# KiCad board LC_RFE-RevA2.kicad_pcb (continued)
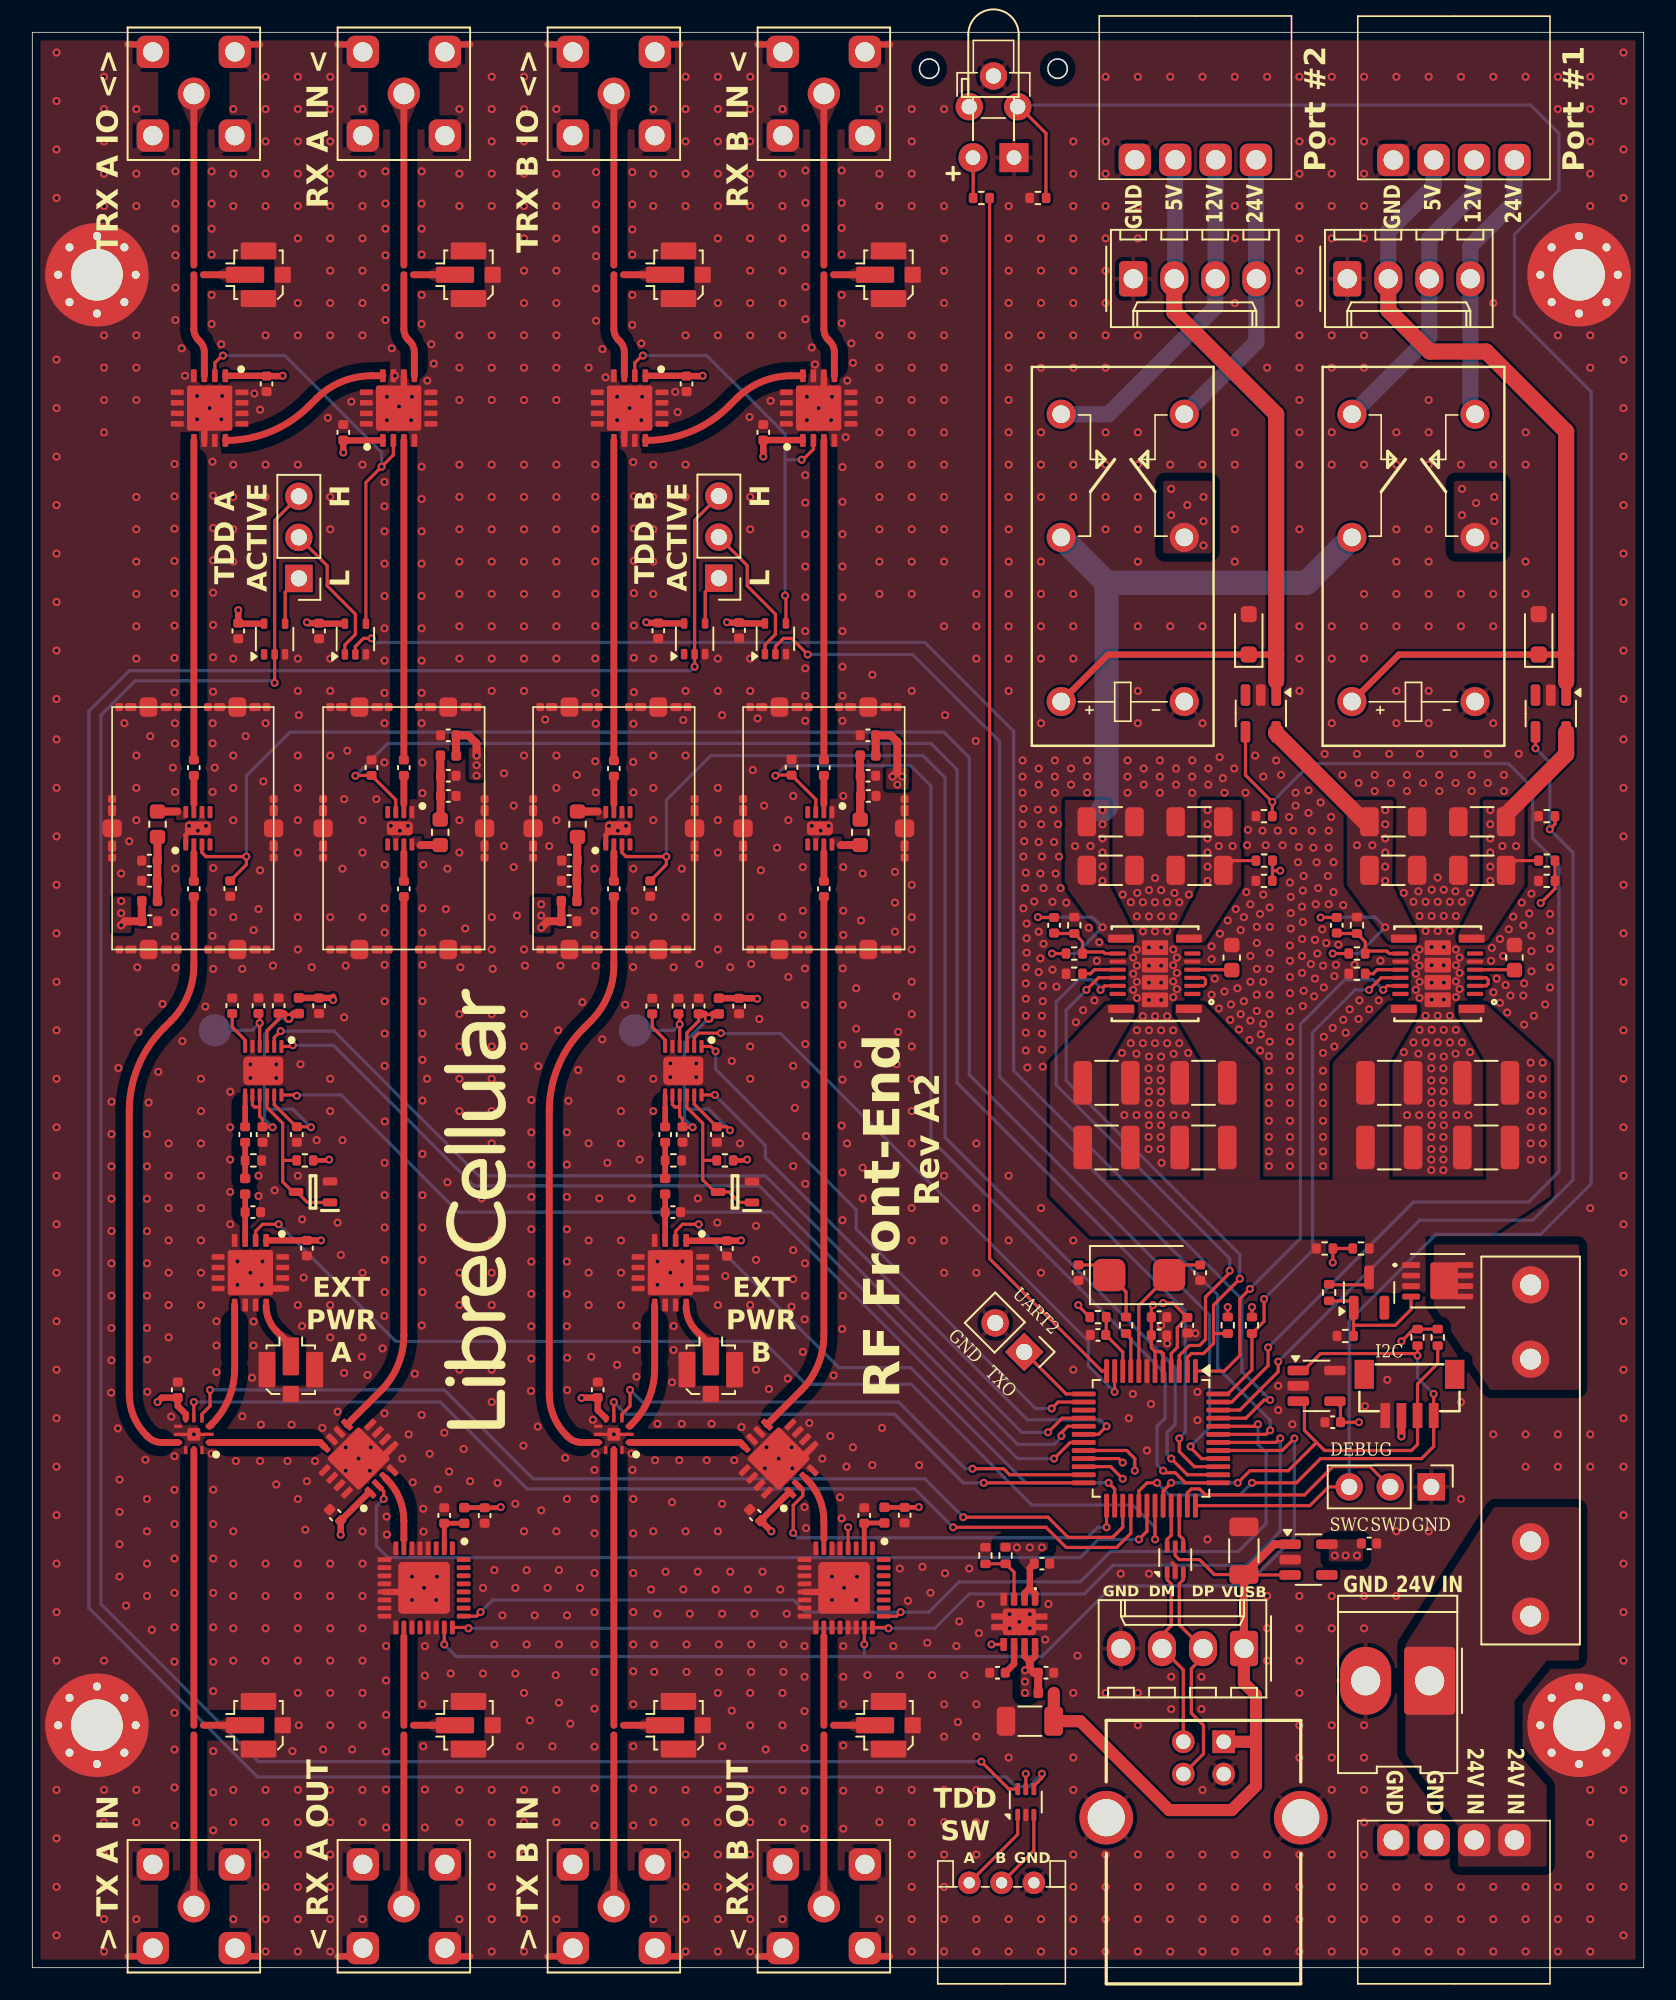
[diagram p0: board, top side]
## Routing (per net, layer and track width the routed paths; a pad name or vN(x,y) marks a point on that pad's centre or on a via; arc(x,y) is an arc through that point) (continued)
/External Power/PORT_1_5V: length 55.4
  Top w0.4: 94.95,81.25 D401.1 84.6,81.25 K401.8
  Top w0.5: IC401.1 94.95,79.55
  Top w1: 94.95,79.55 94.95,95.05 90,100 86.5,100 83.94,102.56 CON403.2
  Bottom w1: CON403.2 83.94,107.44 86.75,110.25 CON401.2
/External Power/PORT_1_12V: length 19.1
  Bottom w0.75: 86.5,104.48 CON403.3
  Bottom w1: CON401.3 89.25,109.75 86.48,106.98 CON403.3 86.48,100.91 K401.5 81.88,96.12
/External Power/PORT_1_24V: length 17.1
  Bottom w0.75: K401.4 89.31,96.19
  Bottom w1: K401.4 89.02,96.41 CON403.4 89.02,106.52 91.75,109.25 CON401.4
/External Power/PORT_1_EN: length 57.9
  Top w0.2: v1(77.12,37.5) 77.12,36.88 74.75,34.5 IC301.46 ; v1(93.05,75.45) IC401.4 ; v1(93.94,70.44) 94.26,70.76 R401.1
  Bottom w0.2: v1(93.05,75.45) 93.94,74.56 v1(93.94,70.44) 95.38,69 95.38,48.75 92.88,46.25 85.88,46.25 v1(77.12,37.5)
/External Power/PORT_2_5V: length 50.3
  Top w0.4: 77,81.25 D402.1 66.6,81.25 K402.8
  Top w0.5: IC402.1 77,79.6
  Top w1: CON404.2 70.69,102.44 77,96.12 77,79.6
  Bottom w0.75: 70.25,104.54 70.29,104.5
  Bottom w1: CON404.2 70.75,104.56 CON402.2
/External Power/PORT_2_12V: length 21.4
  Bottom w1: CON402.3 73.25,104.52 CON404.3 73.23,102.73 66.62,96.12 K402.5
/External Power/PORT_2_24V: length 17.6
  Bottom w1: CON402.4 75.75,104.52 CON404.4 75.77,100.58 K402.4
/External Power/PORT_2_EN: length 75.7
  Top w0.2: IC402.4 75.1,73.78 v1(76.76,72.12) R402.1 ; v1(76.5,38.38) 76.5,37.25 74.25,35 IC301.47
  Bottom w0.2: v1(76.5,38.38) 85.5,47.38 92.62,47.38 94.5,49.25 94.5,68.25 92.88,69.88 92.88,73 91.38,74.5 79.12,74.5 76.76,72.14 v1(76.76,72.12)
/MCU/LED: length 75.8
  Top w0.2: R303.1 59.26,43.86 66.21,36.91 IC301.12
/MCU/RESET: length 3.8
  Top w0.2: IC301.10 67.5,38.1 66.45,39.15 66.48,39.18 66.48,40.25
/MCU/SCL: length 35.5
  Top w0.2: v1(75.5,30) 78.25,30 79.75,31.5 86,31.5 86.75,32.25 CON105.4 v1(86.75,35.5) ; v1(69.62,30) 69,30 68.5,29.5 IC301.29 ; IC303.1 78.7,36.95 79.75,38 85.62,38 v1(85.75,37.88) R305.1
  Bottom w0.2: v1(75.5,30) 74.75,29.25 70.38,29.25 v1(69.62,30) ; v1(85.75,37.88) 85.75,36.5 v1(86.75,35.5)
/MCU/SDA: length 28.1
  Top w0.2: v1(74.62,30) 75.38,30.75 77.75,30.75 79.5,32.5 ; IC301.32 70,29.5 v1(70.5,30) ; IC303.3 78.7,35.05 78.75,35 78.75,33.25 79.5,32.5 ; 79.5,32.5 80,32 85.38,32 85.75,32.38 CON105.3 85.75,36.12 87,37.38 R304.1
  Bottom w0.2: v1(70.5,30) v1(74.62,30)
/MCU/STM32_PA0_SPI2_SCK: length 38.1
  Top w0.2: IC1001.2 40.97,57.55 41.25,57.83 v1(42.62,57.83) ; IC301.11 v1(67,35.62)
  Bottom w0.2: v1(67,35.62) 65.38,37.25 65.38,38.75 46.33,57.8 42.65,57.8 v1(42.62,57.83)
/MCU/STM32_PA3_SPI2_MISO: length 34.5
  Top w0.2: IC1001.1 42,57 v1(42.3,56.7) ; IC301.14 63.5,35 v1(63.1,34.6)
  Bottom w0.2: v1(63.1,34.6) 62.1,34.6 51,45.7 51,46.9 42.3,55.6 v1(42.3,56.7)
/MCU/STM32_PA5_SPI1_SCK: length 61.5
  Top w0.2: v1(62.88,33.12) 63.75,34 IC301.16 ; v1(15.38,57.95) 14.97,57.55 IC901.2
  Bottom w0.2: v1(15.38,57.95) 18.67,57.95 27.62,49 45.38,49 61.25,33.12 v1(62.88,33.12)
/MCU/STM32_PA6_SPI1_MISO: length 60.6
  Top w0.2: IC901.1 16.05,57 v1(16.12,57.08) ; IC301.17 64.1,33.5 63.7,33.1 v1(63.7,32.9)
  Bottom w0.2: v1(63.7,32.9) 63.7,32.83 63.25,32.38 61,32.38 45,48.38 27.34,48.38 18.64,57.08 v1(16.12,57.08)
/MCU/STM32_PA7: length 35.6
  Top w0.2: IC301.18 66,33 v1(66.5,33.5) ; v1(42.25,54) IC1001.12
  Bottom w0.2: v1(66.5,33.5) 66.1,33.9 61.6,33.9 45.38,50.12 45.38,50.88 v1(42.25,54)
/MCU/STM32_PA8: length 64.8
  Top w0.2: v1(57,27.25) 62.75,27.25 64,26 67.12,26 68,26.88 IC301.28 ; IC904.5 v1(10,35)
  Bottom w0.2: v1(10,35) 25.25,35 30.62,29.62 54.62,29.62 v1(57,27.25)
/MCU/STM32_PA15: length 66.8
  Top w0.2: v1(70,30.75) 70.12,30.62 70.75,30.62 71.38,30 IC301.37 ; v1(46,73.75) 46.04,73.79 C1205.1 48.5,72.29 IC1201.3
  Bottom w0.2: v1(70,30.75) 69.62,31.12 69.62,33.5 70.12,34 70.12,36.75 55.62,51.25 55.62,73.12 54.38,74.38 46.62,74.38 v1(46,73.75)
/MCU/STM32_PB0: length 59.4
  Top w0.2: IC901.12 16.33,54 v1(16.38,53.95) ; IC301.19 64.25,32.5 v1(63.25,31.5)
  Bottom w0.2: v1(16.38,53.95) 16.42,54 19.12,54 26.38,46.75 45.75,46.75 61,31.5 v1(63.25,31.5)
/MCU/STM32_PB3_SPI3_SCK: length 64.5
  Top w0.2: v1(53,21) 52.95,21.05 IC801.24 ; IC701.24 26.95,21.05 v1(27,21) ; v1(77.25,32.75) 77,32.5 IC301.42
  Bottom w0.2: v1(27,21) v1(53,21) 55.88,21 58,23.12 65.12,23.12 66.9,24.9 75.15,24.9 77.25,27 v1(77.25,32.75)
/MCU/STM32_PB4: length 70.1
  Top w0.2: IC301.43 76.38,33 v1(76.62,33.25) ; v1(48,81.25) 47,82.25 46.5,82.25 46,81.75 46,81.28
  Bottom w0.2: v1(76.62,33.25) 76.62,33.88 73.38,37.12 73.38,41.62 59.88,55.12 59.88,75.88 54.5,81.25 v1(48,81.25)
/MCU/STM32_PB5_SPI3_MOSI: length 62.7
  Top w0.2: v1(53.75,22) 53.5,21.75 IC801.25 ; IC301.44 75.75,33.5 v1(75.88,33.62) ; IC701.25 27.5,21.75 v1(27.75,22)
  Bottom w0.2: v1(27.75,22) 28.5,22.75 47.12,22.75 47.88,22 v1(53.75,22) 55.5,22 57.38,23.88 64.88,23.88 66.75,25.75 74.65,25.75 76.38,27.47 76.38,31.88 75.88,32.38 v1(75.88,33.62)
/MCU/STM32_PB6: length 95.5
  Top w0.2: IC301.45 75.12,34 76.25,35.12 v1(76.62,35.12) ; v1(21,82.25) 20.5,82.25 20,81.75 IC1504.2
  Bottom w0.2: v1(76.62,35.12) 74.88,36.88 74.88,41.38 60.75,55.5 60.75,76.5 55.25,82 21.25,82 v1(21,82.25)
/MCU/STM32_PB9: length 32
  Top w0.2: v1(82.75,60.5) 83.5,61.25 IC202.13 ; v1(76.25,41.38) 76.25,39.99 R206.2 75.5,37 74,35.5 IC301.48
  Bottom w0.2: v1(82.75,60.5) 81.88,60.5 79.25,57.88 79.25,44.38 v1(76.25,41.38)
/MCU/STM32_PB11: length 32.2
  Top w0.2: v1(37,35.75) 37,34.75 36.5,34.25 IC1004.4 ; IC301.23 60.5,30.5 60.12,30.88 v1(58.2,30.88)
  Bottom w0.2: v1(37,35.75) 37.75,35 53.62,35 57.75,30.88 v1(58.2,30.88)
/MCU/STM32_PB12: length 32.2
  Top w0.2: IC1004.5 v1(36,35) ; v1(58.9,30) IC301.24
  Bottom w0.2: v1(36,35) 36.75,34.25 53.38,34.25 57.62,30 v1(58.9,30)
/MCU/STM32_PB13: length 24.5
  Top w0.2: IC1005.2 47.7,29.54 47.7,29.2 47.1,28.6 v1(47.1,26.9) ; v1(66.5,27.25) IC301.25
  Bottom w0.2: v1(66.5,27.25) 65.95,27.25 65.3,26.6 47.4,26.6 v1(47.1,26.9)
/MCU/STM32_PB14: length 35.9
  Top w0.2: IC301.26 67,29.62 v1(66.62,30) ; IC1003.2 39.83,45.58 40.25,46 v1(41.25,46)
  Bottom w0.2: v1(66.62,30) 61.5,30 54.38,37.12 49.92,37.12 41.25,45.8 v1(41.25,46)
/MCU/STM32_PB15: length 63.9
  Top w0.2: v1(57.62,27.88) 62.88,27.88 64.12,26.62 66.88,26.62 67.5,27.25 IC301.27 ; IC904.4 10.5,34.25 11,34.75 v1(11,35.75)
  Bottom w0.2: v1(57.62,27.88) 55.25,30.25 31,30.25 25.5,35.75 v1(11,35.75)
/MCU/STM32_PC6: length 54.4
  Top w0.2: IC905.2 21.75,29.49 v1(21.75,29) ; v1(68.5,26.5) 69,27 IC301.30
  Bottom w0.2: v1(21.75,29) 21.3,28.55 21.3,26.1 22.03,25.38 64.88,25.38 66,26.5 v1(68.5,26.5)
/MCU/STM32_PC7: length 67
  Top w0.2: v1(69.5,26.5) IC301.31 ; IC903.2 13.83,45.58 14.25,46 v1(15.25,46)
  Bottom w0.2: v1(15.25,46) 22.5,38.75 45.25,38.75 47.9,36.1 54.4,36.1 61.88,28.62 68.12,28.62 69.5,27.25 v1(69.5,26.5)
/MCU/STM32_PC13: length 32.9
  Top w0.2: IC202.14 83.87,60.75 v1(83.62,60.5) ; IC301.1 73.79,36.91 74.75,37.88 74.75,41.38 v1(75.38,42)
  Bottom w0.2: v1(83.62,60.5) 83,61.12 81.25,61.12 78.5,58.38 78.5,45.12 v1(75.38,42)
/MCU/STM32_PC14: length 33.5
  Top w0.2: 73.12,39.25 73.13,39.24 R202.2 ; 73.12,39.25 73.12,41 v1(74.75,42.62) ; 73.12,39.25 73.12,38.62 72.5,38 71.75,38 71.5,37.75 IC301.2 ; v1(65.25,60.5) 66,61.25 IC201.13
  Bottom w0.2: v1(74.75,42.62) 74.75,44.12 64,54.88 64,59.25 v1(65.25,60.5)
/MCU/STM32_PC15: length 33.8
  Top w0.2: IC201.14 66.37,60.75 v1(66.12,60.5) ; v1(74.12,43.12) 74.12,43 72.62,41.5 72.62,38.88 72.25,38.5 71.62,38.5 71,37.88 IC301.3
  Bottom w0.2: v1(74.12,43.12) 74.12,43.88 63.38,54.62 63.38,59.75 64.75,61.12 65.62,61.12 66.12,60.62 v1(66.12,60.5)
/MCU/STM32_PD0: length 79.4
  Top w0.2: IC1401.3 36.5,69 36.75,68.75 v1(39.25,68.75) 39.25,68.25 C1405.1 ; IC301.38 71.5,30.5 v1(70.5,31.5)
  Bottom w0.2: v1(39.25,68.75) 39.25,72.25 42,75 55.12,75 56.5,73.62 56.5,51.38 70.75,37.12 70.75,33.62 70.25,33.12 70.25,31.75 v1(70.5,31.5)
/MCU/STM32_PD1: length 93.6
  Top w0.2: IC1101.3 22.5,72.27 C1105.1 20.02,73.77 v1(20,73.75) ; IC301.39 71.94,31 71,31.94 v1(71,32.75)
  Bottom w0.2: v1(71,32.75) 71.38,33.12 71.38,40.62 57.25,54.75 57.25,74.12 55.62,75.75 22,75.75 v1(20,73.75)
/MCU/STM32_PD2: length 108.1
  Top w0.2: IC301.40 72.38,31.5 71.7,32.17 v1(71.7,32.25) ; C1305.1 13.25,68.25 v1(13.25,68.75) 10.75,68.75 10.5,69 IC1301.3
  Bottom w0.2: v1(71.7,32.25) 72.88,33.42 72.88,40.38 58,55.25 58,74.88 56.42,76.45 15.95,76.45 13.25,73.75 v1(13.25,68.75)
/MCU/STM32_PD3: length 70
  Top w0.2: v1(78.12,32.75) 77.38,32 IC301.41 ; IC701.23 v1(25.5,20) ; IC801.23 v1(51.5,20)
  Bottom w0.2: 51.5,19.25 v1(51.5,20) ; 51.5,19.25 26.25,19.25 v1(25.5,20) ; 51.5,19.25 62.5,19.25 66.88,23.62 75.12,23.62 78.12,26.62 v1(78.12,32.75)
/MCU/STM32_USB_DM: length 2.6
  Top w0.2: D102.6 70.25,26.5 70.5,26.75 IC301.33
/MCU/STM32_USB_DP: length 2.6
  Top w0.2: IC301.34 71,26.75 71.25,26.5 D102.4
/MCU/SWCLK: length 147.6
  Top w0.2: J301.3 80.25,29.75 79.09,28.59 IC301.36 ; R306.1 62.75,109.51 62.75,113.5 61.1,115.15 SW301.1
  Bottom w0.2: SW301.1 61.1,115.25 92.75,115.25 94.5,113.5 94.5,110 91.75,107.25 91.75,102.25 96.5,97.5 96.5,48.5 93.38,45.38 86.88,45.38 81.52,40.02 J301.3
/MCU/SWDIO: length 14.8
  Top w0.2: J301.2 82.81,31 80.5,31 78.75,29.25 72.62,29.25 72.25,29.62 71.75,29.62 71.5,29.38 IC301.35
/MCU/USART2_TX: length 4.8
  Top w0.2: J302.1 64,35.5 IC301.13
/RF/CH_A_RX: length 6.4
  Top w0.428: R511.1 23,101.4 arc(23.07,101.03) 23.28,100.72 23.37,100.63 arc(23.58,100.32) 23.65,99.95 IC1502.9
/RF/CH_A_TRX: length 6.4
  Top w0.428: IC1501.3 10.65,99.95 arc(10.58,100.32) 10.37,100.63 10.28,100.72 arc(10.07,101.03) 10,101.4 R509.1
/RF/CH_B_RX: length 6.4
  Top w0.428: R515.1 49,101.4 arc(49.07,101.03) 49.28,100.72 49.37,100.63 arc(49.58,100.32) 49.65,99.95 IC1602.9
/RF/CH_B_TRX: length 6.4
  Top w0.428: IC1601.3 36.65,99.95 arc(36.58,100.32) 36.37,100.63 36.28,100.72 arc(36.07,101.03) 36,101.4 R514.1
/RF/LNA A/RF_IN: length 19.8
  Top w0.428: C1103.1 IC1502.3
/RF/LNA A/RF_OUT: length 33.9
  Top w0.428: IC905.9 21.59,35.71 arc(22.63,37.28) 23,39.13 C1104.2
/RF/LNA B/RF_IN: length 19.8
  Top w0.428: IC1602.3 C1203.1
/RF/LNA B/RF_OUT: length 33.9
  Top w0.428: C1204.2 49,39.13 arc(48.63,37.28) 47.59,35.71 IC1005.9
/RF/PA A/RF_IN: length 36.8
  Top w0.428: C1303.1 10,62 arc(9.63,60.15) 8.59,58.59 8.12,58.12 arc(6.55,55.77) 6,53 6,35.5 arc(6.28,34.11) 7.06,32.94 7.15,32.85 arc(7.54,32.59) 8,32.5 IC904.9
/RF/PA A/RF_OUT: length 19.8
  Top w0.428: IC1501.9 C1304.2
/RF/PA B/RF_IN: length 36.8
  Top w0.428: IC1004.9 34,32.5 arc(33.54,32.59) 33.15,32.85 33.06,32.94 arc(32.28,34.11) 32,35.5 32,53 arc(32.55,55.77) 34.12,58.12 34.59,58.59 arc(35.63,60.15) 36,62 C1403.1
/RF/PA B/RF_OUT: length 19.8
  Top w0.428: IC1601.9 C1404.2
/RF/Power Measurement A/SDR_RX: length 4.1
  Top w0.428: IC905.3 21.94,30.22 arc(22.72,29.05) 23,27.66 23,26.5
/RF/Power Measurement B/SDR_RX: length 4.1
  Top w0.428: IC1005.3 47.94,30.22 arc(48.72,29.05) 49,27.66 49,26.51
/RF/SDR_CH_A_RX: length 5.5
  Top w0.428: R504.2 23,20.5
/RF/SDR_CH_A_TX: length 17
  Top w0.428: R501.2 IC904.11
/RF/SDR_CH_B_RX: length 5.5
  Top w0.428: R507.2 49,20.51
/RF/SDR_CH_B_TX: length 17
  Top w0.428: R505.2 IC1004.11
/USB_DM: length 11.4
  Top w0.2: CON103.2 71.25,18.43 CON104.3 69.93,20.59 70.5,21.16 70.5,23.75 70.25,24 D102.1
/USB_DP: length 14.3
  Top w0.2: CON103.3 72.5,13.23 72.5,15 71.75,15.75 71.75,18.5 72.47,19.22 CON104.2 71,21.22 71,23.75 71.25,24 D102.3
TDD_A_CTRL_EXT: length 140.3
  Top w0.2: J1501.3 15,89.54 IC1503.2 v1(15,79.5) ; v1(58.75,12.75) 60.45,11.05 D501.6
  Bottom w0.2: v1(15,79.5) 14.88,79.62 6.38,79.62 4.25,77.5 4.25,22.5 14,12.75 v1(58.75,12.75)
TDD_B_CTRL_EXT: length 170.4
  Top w0.2: D501.4 62,11.25 62.5,11.75 v1(62.5,12) ; 42.5,91.06 41,89.56 v1(41,80.5)
  Bottom w0.2: v1(41,80.5) 40.75,80.25 6,80.25 3.5,77.75 3.5,22.25 13.95,11.8 60.3,11.8 60.9,11.2 61.7,11.2 v1(62.5,12)
VUSB: length 44.8
  Top w0.2: D102.5 70.75,25.5 71,25.25 72.25,25.25 73.18,24.32 75,24.32 75.03,24.3 IC302.3
  Top w0.5: 75,19.76 75,24.32 76.88,26.2 IC302.1 ; 63.23,15.51 62.97,15.25
  Top w0.75: 75,19.76 CON104.1 75,19.74 75,17.62 75.75,16.88 75.75,14.12 ; 75.75,14.12 75.75,11.25 74.25,9.75 70.38,9.75 64.88,15.25 C601.1 63.23,15.26 L601.1 ; 75.75,14.12 75.6,13.98 CON103.1
Net-(C306-Pad2): length 5.2
  Top w0.2: C306.2 66.04,43.48 Y301.1 67.71,41.82 R302.1
Net-(C907-Pad1): length 2.2
  Top w0.356: C907.1 R902.1 L902.2
Net-(C1007-Pad1): length 2.2
  Top w0.356: C1007.1 R1002.1 L1002.2
Net-(C1102-Pad1): length 4
  Top w0.5: L1101.2 25.27,73.75 C1102.1 C1106.1 25.27,71.06 L1102.1
Net-(C1202-Pad1): length 4
  Top w0.5: L1202.1 51.25,72.48 C1206.1 51.27,73.73 C1202.1 51.25,73.75 L1201.2
Net-(C1302-Pad1): length 4
  Top w0.5: L1302.1 7.75,68.52 C1306.1 C1302.1 7.73,66.02 L1301.2
Net-(C1402-Pad1): length 4
  Top w0.4: 33.71,66 L1401.2
  Top w0.5: L1402.1 33.73,69.94 C1406.1 33.71,68.48 C1402.1 33.72,67.25 L1401.2
Net-(CON501-In): length 10.6
  Top w0.428: R509.2 CON501.1
Net-(CON502-In): length 10.6
  Top w0.428: R511.2 CON502.1
Net-(CON503-In): length 10.6
  Top w0.428: R513.2 CON503.1
Net-(CON504-In): length 10.6
  Top w0.428: R515.2 CON504.1
Net-(CON505-In): length 10.6
  Top w0.428: R501.1 CON505.1
Net-(CON506-In): length 10.6
  Top w0.428: R503.1 CON506.1
Net-(CON507-In): length 10.6
  Top w0.428: R505.1 CON507.1
Net-(CON508-In): length 10.6
  Top w0.428: R507.1 CON508.1
Net-(CON509-In): length 1.9
  Top w0.428: CON509.1 R510.2
Net-(CON510-In): length 1.9
  Top w0.428: CON510.1 R512.2
Net-(CON511-In): length 1.9
  Top w0.428: CON511.1 R514.2
Net-(CON512-In): length 1.9
  Top w0.428: CON512.1 R516.2
Net-(CON513-In): length 1.9
  Top w0.428: CON513.1 R502.1
Net-(CON514-In): length 1.9
  Top w0.428: CON514.1 R504.1
Net-(CON515-In): length 1.9
  Top w0.428: CON515.1 R506.1
Net-(CON516-In): length 1.9
  Top w0.428: CON516.1 R508.1
Net-(CON517-Pin_1): length 5.4
  Top w0.2: D501.1 61,8.25 CON517.1
Net-(CON517-Pin_2): length 5
  Top w0.2: D501.3 62,7.25 CON517.2
Net-(CON901-In): length 3
  Top w0.428: CON901.1 15.11,39.39 arc(14.64,40.09) 14.47,40.92
Net-(CON1001-In): length 3
  Top w0.428: CON1001.1 41.11,39.39 arc(40.64,40.09) 40.47,40.92
Net-(D101-A): length 8.4
  Top w0.2: Q101.G 85.35,40.72 84.38,39.75 81.78,39.75 ; R101.2 80.29,41.25 81.75,41.25 81.75,40.89 D101.1 81.78,40.82 81.78,39.75 ; R102.1 81.78,39.75
Net-(D301-A): length 2.5
  Top w0.2: R303.2 58.24,111.99 D301.2
Net-(IC201-CBOOT): length 2
  Top w0.2: IC201.4 72.5,61.25 72.62,61.12 72.62,60.88 72.5,60.75 IC201.3
Net-(IC201-FB): length 5
  Top w0.2: R201.2 65.11,62.85 66.3,62.85 66.4,62.75 IC201.10 ; R201.2 65,62.76 ; R201.2 65.01,63.48 R203.1 63.28,63.99 C206.2
Net-(IC201-RT): length 2.3
  Top w0.2: IC201.12 65.75,61.75 65.5,61.5 R204.1
Net-(IC201-VLDOIN): length 2.5
  Top w0.2: IC201.5 74.22,61.75 C205.1
Net-(IC202-CBOOT): length 2
  Top w0.2: IC202.3 90,60.75 90.12,60.88 90.12,61.12 90,61.25 IC202.4
Net-(IC202-FB): length 5
  Top w0.2: 80.75,64.04 80.8,63.99 R207.1 82.51,63.48 R205.2 82.66,62.9 83.85,62.9 84,62.75 IC202.10
Net-(IC202-RT): length 2.3
  Top w0.2: R208.1 83,61.5 83.25,61.75 IC202.12
Net-(IC202-VLDOIN): length 2.5
  Top w0.2: IC202.5 91.72,61.75 C215.1
Net-(IC301-PF0-OSC_IN): length 8.9
  Top w0.2: IC301.8 68.5,40.98 Y301.2 71,43.48 C305.2
Net-(IC301-PF1-OSC_OUT): length 2.4
  Top w0.2: R302.2 68,38.95 IC301.9
Net-(IC601-FB/SNS): length 3.7
  Top w0.2: R602.1 R601.2 60.78,24.47 60.78,22.8
Net-(IC601-NR): length 2
  Top w0.4: 60.78,20 60.78,18.79 C604.1
Net-(IC701-VDD): length 2.8
  Top w0.3: IC701.2 C702.1 ; L701.2 25.5,27.5
  Top w0.4: 25.5,27.5 C702.1
Net-(IC801-VDD): length 2.8
  Top w0.3: IC801.2 C802.1 ; L801.2 51.52,27.52
  Top w0.4: 51.52,27.52 C802.1
Net-(IC901-CSQ): length 2.4
  Top w0.2: IC901.6 13.17,57.4 12.38,58.2 C909.1
Net-(IC901-EN): length 22.2
  Top w0.2: IC901.3 14.53,57.97 15.25,58.7 C903.1 ; v1(17.25,52) 17.22,52.03 C905.1 ; 14.08,53.25 14.08,52.67 14.25,52.5 C904.1 14.84,52.03 v1(14.88,52) 14.75,52 ; 14.08,53.25 13.75,53.25 13.62,53.38 IC901.8 ; 14.08,53.25 14.08,53.8 ; 16.38,52 14.97,53.4 IC901.11
  Top w0.4: L901.2 16.16,59.03 v2(15.88,58.75) 15.59,59.03 15.25,59.03 C903.1
  Bottom w0.2: v1(14.88,52) 14.38,52.5 14.38,53.12 ; 14.38,53.12 14.38,57.75 15.38,58.75 v2(15.88,58.75) ; 14.38,53.12 16.12,53.12 v1(17.25,52)
Net-(IC901-RF): length 2
  Top w0.3: IC901.7 13.17,53.25
  Top w0.356: C907.2 13.17,53.25
Net-(IC901-VOUT): length 5
  Top w0.2: IC901.4 v1(14.08,58.45) 14.08,58.97 C906.1
  Bottom w0.2: v1(14.08,58.45) 13.62,58 TP901.1
Net-(IC901-VREF): length 10.1
  Top w0.2: IC901.10 14.53,53.22 15.5,52.25 15.5,49.88 ; 15.5,49.88 15.58,49.95 R901.2 ; 15.5,49.88 15.5,48.62 16.12,48 16.38,48 17.03,47.35 IC902.1
Net-(IC903-RF2): length 7.9
  Top w0.428: IC904.3 11.11,33.64 arc(12.16,35.2) 12.52,37.05 IC903.9
Net-(IC903-RFC): length 2.9
  Top w0.356: L902.1 C908.1 IC903.3
Net-(IC904-J1): length 7.2
  Top w0.428: IC904.1 17.82,32.5 IC905.12
Net-(IC1001-CSQ): length 2.4
  Top w0.2: C1009.1 38.38,58.2 39.17,57.4 IC1001.6
Net-(IC1001-EN): length 22
  Top w0.2: 40.08,53.25 40.08,52.67 40.25,52.5 C1004.1 v1(40.88,52) 40.84,52.03 ; 40.08,53.25 IC1001.9 ; 40.08,53.25 39.78,53.25 39.62,53.4 IC1001.8 ; C1003.1 41.25,58.58 40.53,57.85 IC1001.3 ; IC1001.11 40.97,53.43 C1005.1 42.97,52.03 v1(43.19,51.81)
  Top w0.4: C1003.1 41.25,59.02 41.61,59.02 v2(41.88,58.75) 42.14,59.02 L1001.2
  Bottom w0.2: 40.38,53.12 41.88,53.12 v1(43.19,51.81) ; 40.38,53.12 40.38,57.25 v2(41.88,58.75) ; 40.38,53.12 40.38,52.5 v1(40.88,52)
Net-(IC1001-RF): length 2
  Top w0.3: IC1001.7 39.17,53.21
  Top w0.356: C1007.2 39.17,53.2
Net-(IC1001-VOUT): length 5
  Top w0.2: IC1001.4 v1(40.08,58.38) 40.08,58.94 C1006.1
  Bottom w0.2: TP1001.1 39.7,58 v1(40.08,58.38)
Net-(IC1001-VREF): length 10.2
  Top w0.2: 41.5,50 41.5,48.75 42.25,48 IC1002.3 43.12,48 43.78,47.35 IC1002.1 ; 41.5,50 41.55,49.95 R1001.2 ; 41.5,50 41.5,52.25 40.53,53.22 IC1001.10
Net-(IC1003-RF2): length 7.9
  Top w0.428: IC1003.9 38.53,37.05 arc(38.16,35.2) 37.11,33.64 IC1004.3
Net-(IC1003-RFC): length 2.9
  Top w0.356: IC1003.3 C1008.1 L1002.1
Net-(IC1004-J1): length 7.2
  Top w0.428: IC1005.12 43.82,32.5 IC1004.1
Net-(IC1101-RF_IN): length 1.8
  Top w0.428: C1103.2 23,72
Net-(IC1101-RF_OUT): length 1.8
  Top w0.428: C1104.1 23,69
Net-(IC1101-VDD): length 1.2
  Top w0.5: L1102.2 24.04,69.46
Net-(IC1201-RF_IN): length 1.8
  Top w0.428: C1203.2 49,72
Net-(IC1201-RF_OUT): length 1.8
  Top w0.428: C1204.1 49,69.01
Net-(IC1201-VDD): length 1.2
  Top w0.5: L1202.2 50.06,69.46
Net-(IC1301-RF_IN): length 1.8
  Top w0.428: C1303.2 10,68.98
Net-(IC1301-RF_OUT): length 1.8
  Top w0.428: C1304.1 10,72
Net-(IC1301-VDD): length 1.2
  Top w0.5: L1302.2 8.96,71.54
Net-(IC1401-RF_IN): length 1.8
  Top w0.428: C1403.2 36,69.01
Net-(IC1401-RF_OUT): length 1.7
  Top w0.428: C1404.1 36,71.99
Net-(IC1401-VDD): length 1.2
  Top w0.5: L1402.2 34.99,71.54
Net-(IC1501-RF1): length 10.9
  Top w0.428: IC1502.12 21,98.5 arc(19.15,98.13) 17.59,97.09 17.12,96.62 arc(14.77,95.05) 12,94.5 IC1501.12
Net-(IC1501-VCTL): length 26.7
  Top w0.2: IC1504.4 20.65,91.9 v1(21.62,92.88) 22.35,93.6 IC1502.2 ; 11.75,99.75 11.3,99.3 IC1501.2
  Bottom w0.2: 11.75,99.75 v1(11.8,99.75) 15.62,99.75 21.62,93.75 v1(21.62,92.88)
Net-(IC1601-RF1): length 10.9
  Top w0.428: IC1601.12 38,94.5 arc(40.77,95.05) 43.12,96.62 43.59,97.09 arc(45.15,98.13) 47,98.5 IC1602.12
Net-(IC1601-VCTL): length 26.6
  Top w0.2: IC1601.2 37.3,99.3 37.75,99.75 ; IC1604.4 46.65,84.85 v1(46.6,84.9) ; v1(47.62,93.3) 47.7,93.3 48.35,93.95 IC1602.2
  Bottom w0.2: v1(46.6,84.9) 46.6,93.3 ; 46.6,93.3 46.6,94.9 41.75,99.75 v1(37.8,99.75) ; 46.6,93.3 v1(47.62,93.3)
  Bottom w0.428: 37.75,99.75 v1(37.8,99.75)
Net-(J1501-Pin_1): length 3.2
  Top w0.2: IC1503.4 15.65,85.11 J1501.1
Net-(J1501-Pin_2): length 9
  Top w0.2: J1501.2 18.25,86.75 18.25,85.5 20,83.75 20,82.5 19.35,81.85 IC1504.1
Net-(J1601-Pin_1): length 3.2
  Top w0.2: IC1603.4 41.65,85.12 J1601.1
Net-(J1601-Pin_2): length 9
  Top w0.2: J1601.2 44.25,86.77 44.25,85.5 46,83.75 46,82.5 45.35,81.85 45.35,81.28

## Copper pours and planes (outline as drawn; the poured copper is in the pictures)
3V3_D on Top: 80.25,26.5 82.38,26.5 82.38,25.12 80.25,25.12
3V3_RF on Top, In2.Cu: 59.88,26.35 59.88,25.62 60.62,25.62 61.5,24.62 62.42,24.62 62.42,25.45 62.88,25.75 62.88,26.35
5V_RF on Top, In2.Cu: 27.02,73.5 27.02,75.5 27.89,75.5 27.89,73.5
5V_RF on Top, In2.Cu: 6.12,66.28 6.12,64.03 5,64.03 5,66.28
5V_RF on Top, In2.Cu: 54.25,72.9 52.85,72.9 52.85,74.22 54.25,74.22
5V_RF on Top, In2.Cu: 61.85,18.65 61.85,16.75 61.17,16.75 61.17,18.65
5V_RF on Top, In2.Cu: 32.1,66.25 32.1,64 30.97,64 30.97,66.25
+5V on Top: 88.3,63.5 88.3,64 89.8,67 89.8,72.25 92.38,72.25 92.38,67 90.05,63.5
+5V on Top: 81.38,67 83.92,63.54 85.67,63.54 85.67,64.04 84.17,67.04 84.25,72.25 81.38,72.25
+5V on Bottom: 81.5,72.25 92.25,72.25 92.25,66.75 81.5,66.75
+12V on Top: 63.91,67 66.41,63.5 68.16,63.5 68.16,64 66.66,67 66.66,72.25 63.91,72.25
+12V on Top: 70.83,63.46 70.83,63.96 72.33,66.96 72.33,72.25 74.83,72.25 74.83,66.96 72.58,63.46
+12V on Bottom: 64,72.25 74.75,72.25 74.75,66.75 64,66.75
+24V on Top: 90,56 88.25,59 88.25,59.62 90,59.62 94,56
+24V on Top: 63,56 66.5,59.62 68.25,59.62 68.25,59 66.5,56
+24V on Top: 72.5,56 76,56 76,48.75 72.5,48.75
+24V on Top: 76,56 72.5,59.62 70.75,59.62 70.75,59 72.5,56
+24V on Top: 80.5,56 84,59.62 85.75,59.62 85.75,59 84,56
+24V on Top: 63,47.75 65.5,45.25 82.5,45.25 82.5,41.75 86.25,41.75 86.25,45.25 90.25,45.25 94,47.75 94,56 90,56 90,48.75 66.5,48.75 66.5,56 63,56
+24V on Top: 80.5,56 84,56 84,48.75 80.5,48.75
+24V on Top, Bottom, In2.Cu: 70,87.5 70,92 73,92 73,87.5
+24V on Top, Bottom, In2.Cu: 88,87.5 88,92 91,92 91,87.5
+24V on In2.Cu: 92.5,49.5 92.5,57.5 94.5,57.5 94.5,49.5
/24V_F on Top, Bottom: 86.75,44.75 95.75,44.75 95.75,35.75 90.25,35.75 86.75,41
/24V_IN on Top, Bottom: 95.75,28.5 95.75,19 93.75,19 91.75,16.5 91.75,13.5 93.75,11.25 93.75,6.25 88.25,6.25 88.25,8.75 85,13.25 85,20 90.5,28.5
GND on Top, Bottom, In1.Cu, In2.Cu: 0.25,0.25 99.5,0.5 99.5,119.5 0.25,119.5

Small or netless copper shapes (teardrops, artwork), in the pictures only: 22 on Top

## Text on the board
F.Silkscreen: + | E | A | F | B | G | C | H | D | GND | DM | DP | VUSB | UART2 | SWC | DEBUG | I2C | SWD | TXO | 24V IN | 5V | 12V | 24V | EXT / PWR / A | EXT / PWR / B | TDD A / ACTIVE | L | TDD B / ACTIVE | TDD / SW | > TX A IN | < RX A OUT | > TX B IN | < RX B OUT | TRX A IO <> | RX A IN < | TRX B IO <> | RX B IN < | Port #2 | Port #1 | Rev A2 | RF Front-End
User.1: Enclosure / Designed to fit into enclosure #1455N1201 from Hammond Mfg / https://www.hammfg.com/electronics/small-case/extruded/1455 / - 0.25mm safety margin on X and Y, enclosure inner dims 100x120mm / - 2.5mm soldermask peelback on left and right for grounding / Stackup / Using JLC04161H-7628 stackup: / copper F.Cu: 0.035 mm / (prepreg 1x7628: 0.2104 mm) / copper Inner.1: 0.0152 mm / (core: 1.065 mm) / copper Inner.2: 0.0152 mm / (prepreg 1x7628: 0.2104 mm) / copper B.Cu: 0.035 mm / Finished thickness: 1.6mm nominal / Controlled Impedance / RF tracks: 50 Ohm GCPWG on F.Cu with Inner.1 reference / Er of 1x7628 prepreg: 4.4 (from https://jlcpcb.com/impedance) / W = 0.356 mm (track thickness) / H = 0.2104 mm (prepreg height) / G = 0.1524 mm (F.Cu ground pour clearance) / Zo: 50.0541 Ohms / Calculated using Saturn PCB Toolkit V8.39 | Design Notes
